# Altium PCB Key.PcbDoc
Units mil, origin at the board's own origin, x right, y up, seen from the top; angles counter-clockwise.
Board outline 2400.03 x 3815.03 mil, 2 copper layers (Top Layer, Bottom Layer); 28 components, 26 nets, 109 pads, 5 vias.
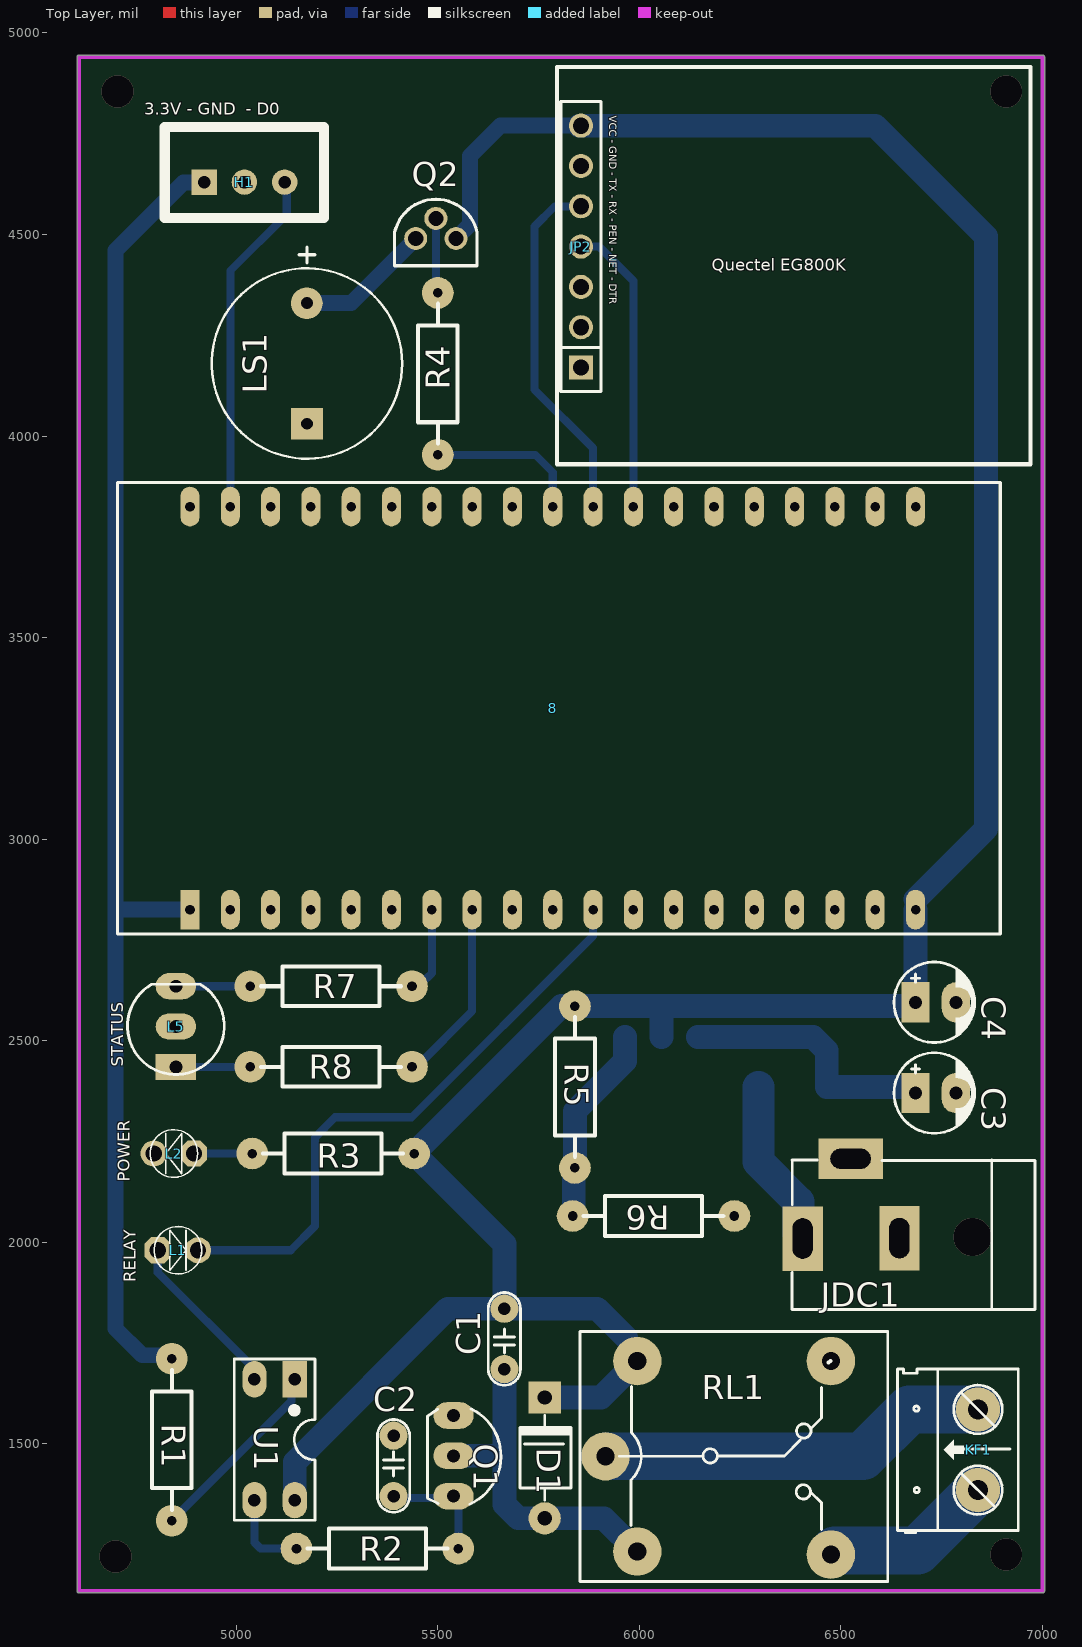
[diagram p0: Top Layer view]
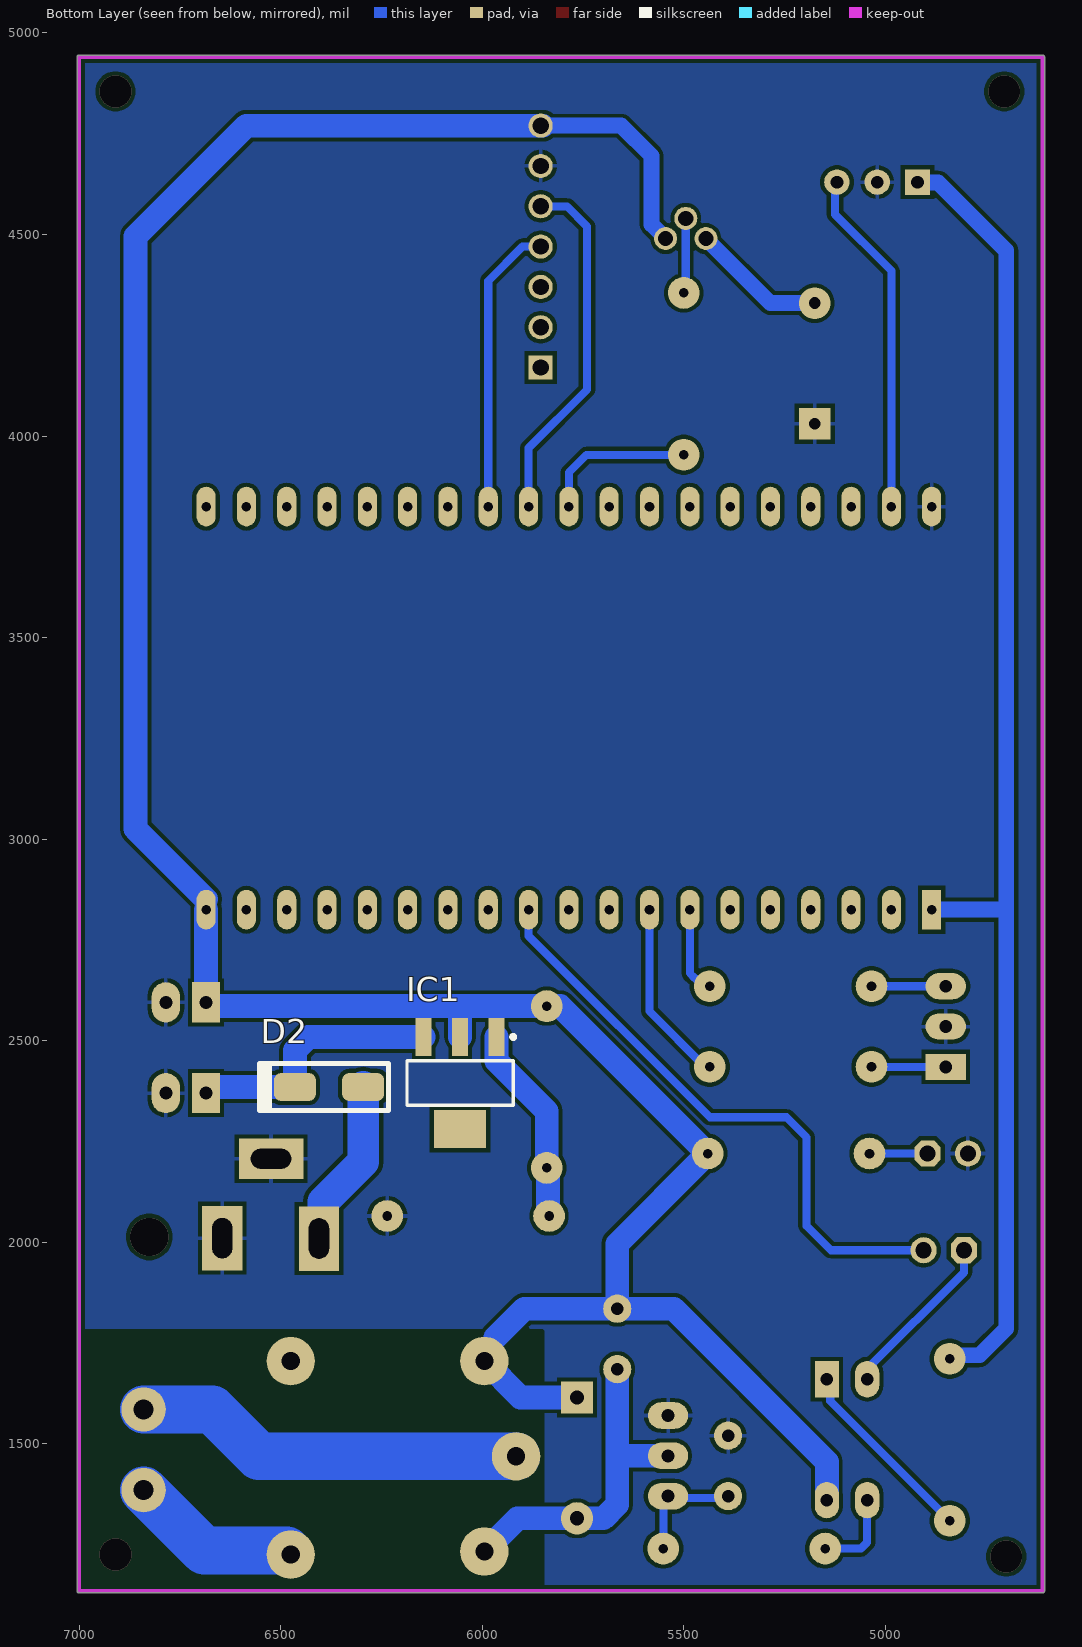
[diagram p1: Bottom Layer view, seen from below]
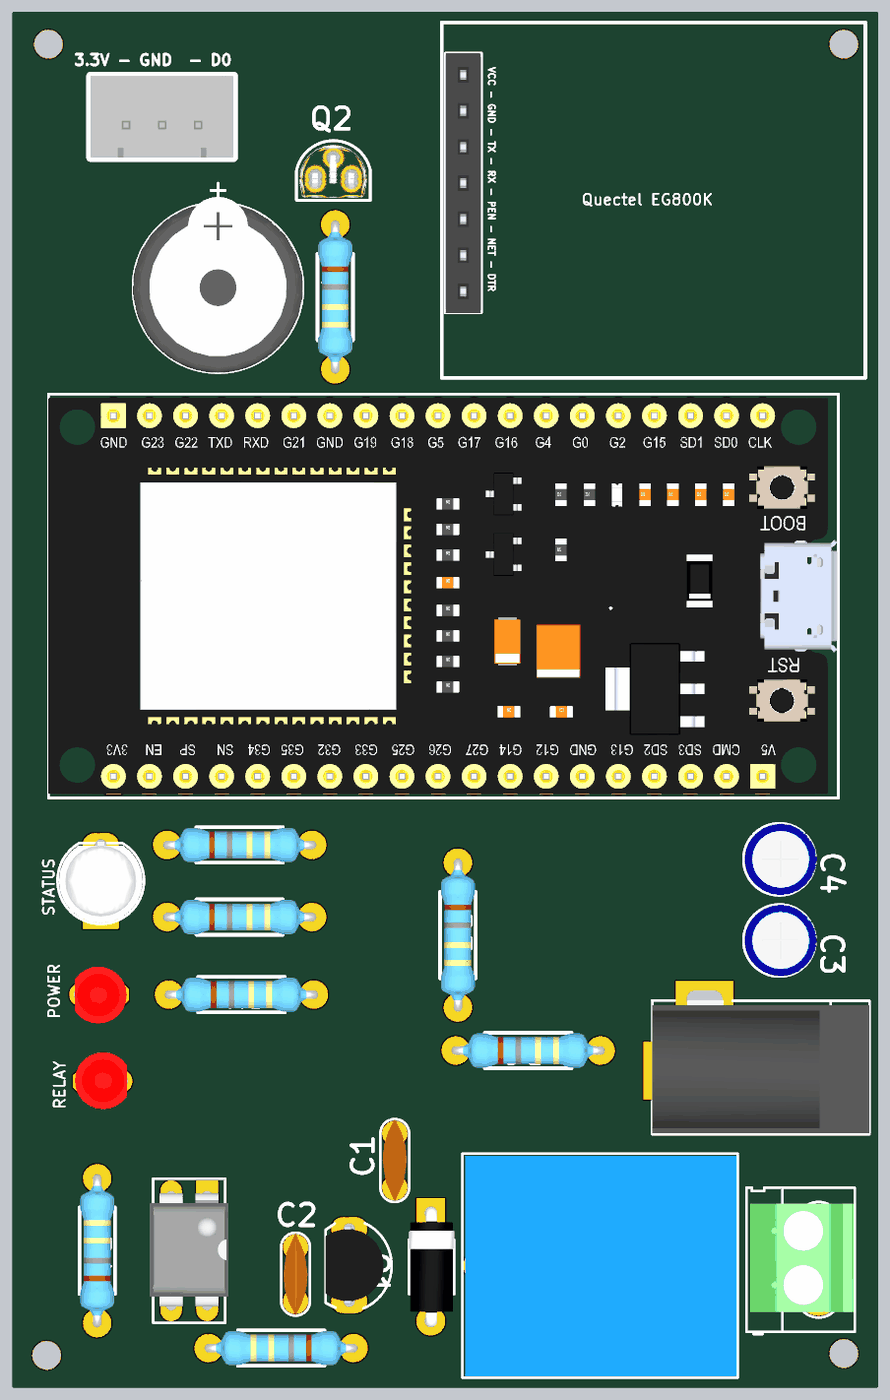
[diagram p2: 3D render of the assembled board from above, using the file's embedded part models]

## Layer stack, top to bottom
Top Solder: solder mask 0.4, Solder Resist, Dk 3.5
Top Layer: signal copper 1.4
Dielectric 1: dielectric 12.6, FR-4, Dk 4.8
Bottom Layer: signal copper 1.4
Bottom Solder: solder mask 0.4, Solder Resist, Dk 3.5

## Board outline
4604.98,1135 ccw(c4610,1135) 4610,1129.98 7000,1129.98 ccw(c7000,1135) 7005.02,1135 7005.02,4940 ccw(c7000,4940) 7000,4945.02 4610,4945.02 ccw(c4610,4940) 4604.98,4940

## Design rules (kind name [scope] priority, off if disabled: settings)
Clearance [All] p1: gap=10 ignorepadtopadclearanceinfootprint=FALSE
PolygonConnect [All] p1: connectstyle=Relief reliefconductorwidth=10 reliefentries=4 polygonreliefangle="90 Angle" airgapwidth=10
RoutingVias [All] p1: holewidth=28 width=50 viastyle="Through Hole" minholewidth=28 minwidth=50 maxholewidth=28 maxwidth=50
SolderMaskExpansion [All] p1: expansion=4 istentingtop=FALSE
SupplyNets "Schematic Supply Nets_2" [InNet('V5')] p1: voltage=0.000
SupplyNets "Schematic Supply Nets_1" [InNet('VIN')] p2: voltage=0.000
SupplyNets "Schematic Supply Nets" [InNet('GND')] p3: voltage=0.000
Width [All] p1: maxlimit=10 minlimit=10 preferedwidth=10
30 further rules are at their usual default settings.

## Components (designator, comment, footprint, x,y, rotation, side; value= is the part's Value field where it differs from the comment)
8 "ESP32 DEV KIT" "ESP32 DEVKIT" 4885,2825 r90 top
C1 "103" CN1.5 5665,1685 r90 top value=0.01uF
C2 "103" CN1.5 5390,1520 r270 top value=0.01uF
C3 "0.1uF" CP1/2 6685,2370 r0 top value=10uF/50V
C4 "1uF" CP1/2 6685,2595 r0 top value=10uF/50V
D1 "1N4007" "DIODE 1A" 5765,1265 r270 top
D2 "SS34" SS14 6380,2385 r0 bottom
H1 "Header 3P 2.54 Duc Thang" XH2.54M-3 4920,4630 r0 top
IC1 "LM317" SOT223 6055,2395 r0 bottom
JDC1 "Jac DC 12V" DC-IN 6405,2009 r180 top value="Jac DC"
JP2 "" "JP 1x7 CT" 5855,4170 r90 top
KF1 "CON 2 KF301" "Con 2 KF301 5.08" 6840,1385 r90 top
L1 "LED 3mm" LED-3MM-RED 4805,1980 r0 top
L2 "LED 3mm" LED-3MM-RED 4895,2220 r180 top
L5 "LED 5mm" "LED-5MM 2 MAU" 4850,2435 r90 top
LS1 "Buzzer 12095" FP-MCKPX-G1203A-K4056-MFG 5175,4180 r90 top
Q1 "C1815" TO92 5538.92,1470 r270 top value=C9014
Q2 "SS8050DBU" FP-135AN-MFG 5495,4504.96 r270 top
R1 "330R" "tro vach 1/4w" 4840,1510 r270 top
R2 "2.2K" "tro vach 1/4w" 5350,1240 r0 top
R3 "220R" "tro vach 1/4w" 5240,2220 r180 top
R4 "220R" "tro vach 1/4w" 5500,4154.21 r90 top
R5 "240R" "tro vach 1/4w" 5840,2385 r90 top
R6 "450R" "tro vach 1/4w" 6035,2065 r180 top
R7 "1k" "tro vach 1/4w" 5235,2635 r180 top
R8 "1k" "tro vach 1/4w" 5235,2435 r180 top
RL1 "Relay 10A/5V" "Relay 5 Chan SRD" 5915.94,1468.78 r0 top
U1 "OPTO PC817 DIP4" DIP4 5145,1662.52 r180 top value=PC817

## Footprints (in the part's own frame and the unit in brackets; to place one, negate y for a bottom-side part, rotate by r counter-clockwise, add the part's x,y. Pads: shape width x height; smd on the part's side, far side on the other; paste and mask are expansions set on the pad)
CN1.5 [mil]
  round 70 hole 31: 1(0,0) 2(150,0)
  silkscreen extent -40,-40 190,40, body extent -40,-33 190,33, height 235
"Con 2 KF301 5.08" [mil]
  round 110 hole 50: 1(0,0) 2(200,0)
  silkscreen extent -106,-100 300,200, body extent -45,-97 255,190, height 335
CP1/2 [mil] "Tu hoa < 22uF/16>50V"
  rect 70x100 hole 32: 1(0,0)
  oval 70x100 hole 32: 2(100,0)
  silkscreen extent -53,-100 147,100, body extent -49,-99 149,99, height 287
DC-IN [mil] "Jac DC input"
  rect 100x160 hole 50 slot 100 at 90 deg: 1(0,0) 2(-240,-1)
  rect 160x100 hole 50 slot 100 at 0 deg: 3(-119,-198)
  silkscreen extent -576,-195 26,176, body extent -576,-195 26,173, height 434
"DIODE 1A" [mil] "Diode 1A"
  round 80 hole 35: 1(-50,0)
  rect 80x80 hole 35: 2(-350,0)
  silkscreen extent -305,-61 -95,65, body extent -366,-61 -34,65, height 122
DIP4 [mil] "W.300/L.400"
  rect 60x90 hole 31: 1(0,2.52)
  oval 60x90 hole 31: 2(100,2.52) 3(100,302.52) 4(0,302.52)
  silkscreen extent -50,-47 150,353, body extent -59,-7 159,307, height 170
"ESP32 DEVKIT" [mm]
  rect 2.5x1.2 hole 0.6: 1(0,0)
  oval 2.5x1.2 hole 0.6: 2(0,-2.54) 3(0,-5.08) 4(0,-7.62) 5(0,-10.16) 6(0,-12.7) 7(0,-15.24) 8(0,-17.78) 9(0,-20.32) 10(0,-22.86) 11(0,-25.4) 12(0,-27.94) 13(0,-30.48) 14(0,-33.02) 15(0,-35.56) 16(0,-38.1) 17(0,-40.64) 18(0,-43.18) 19(0,-45.72) 20(25.4,-45.72) 21(25.4,-43.18) 22(25.4,-40.64) 23(25.4,-38.1) 24(25.4,-35.56) 25(25.4,-33.02) 26(25.4,-30.48) 27(25.4,-27.94) 28(25.4,-25.4) 29(25.4,-22.86) 30(25.4,-20.32) 31(25.4,-17.78) 32(25.4,-15.24) 33(25.4,-12.7) 34(25.4,-10.16) 35(25.4,-7.62) 36(25.4,-5.08) 37(25.4,-2.54) 38(25.4,0)
  silkscreen extent -1.52,-51.05 26.92,4.57, body extent -1.27,-50.99 26.67,4.59, height 9.68
FP-135AN-MFG [mm]
  round 1.45 hole 0.95 paste-2539.97 mask+0: 1(0.38,-1.27) 2(-0.89,0) 3(0.38,1.27)
  silkscreen extent -2.1,-2.6 2.09,2.6, body extent -2.19,-2.7 2.19,2.7, height 0.25
FP-MCKPX-G1203A-K4056-MFG [mm]
  rect 2x2 hole 0.75 paste-2539.97 mask+0: 1(-3.8,0)
  round 2 hole 0.75 paste-2539.97 mask+0: 2mm(3.8,0)
  silkscreen extent -6,-6 7.35,6, body extent -6.1,-6.1 6.1,6.1, height 0.25
"JP 1x7 CT" [mm] "7 row, straight, gold plating"
  rect 1.52x1.52 hole 1.02: 1(0,0)
  round 1.52 hole 1.02: 2(2.54,0) 3(5.08,0) 4(7.62,0) 5(10.16,0) 6(12.7,0) 7(15.24,0)
  silkscreen extent -1.52,-1.27 16.76,1.27, body extent -1.52,-1.25 16.76,1.25, height 8.51
LED-3MM-RED [mil]
  oct 65x65 hole 40: 1(0,0)
  round 65 hole 40: 2(100,0)
  silkscreen extent -9,-59 109,59, body extent -27,-77 117,80, height 181
"LED-5MM 2 MAU" [mil] "LED 3 PIN, 5 ly , Two colour"
  rect 65x100 hole 32: 1(0,0)
  oval 65x100 hole 32: 2(100,0) 3(200,0)
  silkscreen extent -19,-120 205,120, body extent -16,-116 210,116, height 427
"Relay 5 Chan SRD" [mil] "Relay SPDT, 5 pin, 10A,W 650mil, L 800mil, H 800mil"
  round 120 hole 45: 1(0,0) 2(559.06,236.22) 3(559.06,-243.78) 4(78.74,-236.22) 5(78.74,236.22)
  silkscreen extent -63,-311 700,310, body extent -55,-306 697,304, height 602
SOT223 [mm]
  rect 1x2.4 smd: 1(-2.3,-2.9) 2(0,-2.9) 3(2.3,-2.9)
  rect 3.3x2.4 smd: 4(0,2.9)
  silkscreen extent -3.47,-3.02 3.35,1.4, body extent -3.25,-3.56 3.25,3.4, height 1.68
SS14 [mm] "Diode SMD"
  rrect50% 2.65x1.75 smd: 1(-2.15,0) 2(2.15,0)
  silkscreen extent -3.75,-1.48 4.4,1.48, body extent -2.79,-1.97 2.79,1.97, height 2.6
TO92 [mil] "TO-92"
  oval 66x100 hole 32: 1(-100,0) 2(0,0) 3(100,0)
  silkscreen extent -117,-65 120,118, body extent -109,-66 109,95, height 245
"tro vach 1/4w" [mm]
  round 2 hole 0.6: 2mm(-5.1,0) 2mm(5.1,0)
  silkscreen extent -4.39,-1.25 4.42,1.25, body extent -5.38,-1.2 5.38,1.2, height 2.41
XH2.54M-3 [mm]
  rect 1.6x1.6 hole 0.8: 1(0,0)
  round 1.6 hole 0.8: 2(2.54,0) 3(5.08,0)
  silkscreen extent -2.48,-2.26 7.56,3.46, body extent -2.48,-2.26 7.56,3.48, height 6.91

## Part data
C1 C2: library part CN1.5, "Cap np 682pF => 104pF"
C3 C4: library part CP1, "Cap P  0,1uF < 22uF , 16 - 50V", Description 1="10 => 220uF/6,3V/10V - 10uF => 100uF/16V", Description 2="0,1uF => 33uF/50V - 10uF => 22uF/63V", Description 3="0,47uF => 10uF/100V"
D1: library part "Diode 1N4007", "Cắm", Chung_Loai=Cắm, Don_Vi=Con, Ma_Hang=MH001063, Ten_Linh_Kien="Diode 1N4007 1A (DIP)"
D2: library part "D Schottky", "Schottky Diode", Code_JEDEC=DO-214-AA, LatestRevisionDate=17-Jul-2002, LatestRevisionNote="Re-released for DXP Platform.", PackageDescription="DO-214-AA/SMB; 2 C-Bend Leads; Body 5.3 x 3.6 mm, inc. leads (LxW)", PackageReference=SMB, Published=8-Jun-2000, Publisher="Altium Limited"
H1 KF1: "Cắm", Chung_Loai=Cắm, Don_Vi=Con
  H1: Ma_Hang=MH001292, Ten_Linh_Kien="Header 3P XH2.54-3P Đực Thẳng"
  KF1: Ma_Hang=MH000987, Ten_Linh_Kien="CON 2 KF301-2P 5.08MM Xanh Dương"
IC1: library part "LM317 TO223 SMD", "Dán", Chung_Loai=Dán, Don_Vi=Con, Ma_Hang=MH003617, Ten_Linh_Kien="LM317 TO223 ADJ 0.5A (N07A,N01A)"
JDC1: library part DCIN, "Jac DC input"
JP2: library part "JP 1x7 2.54 Cai Thang", "Cắm", Chung_Loai=Cắm, Don_Vi=Con, Ma_Hang=MH004006, Ten_Linh_Kien="Jump Đơn Cái 2.54MM 1x20P Thẳng"
L1 L2: library part "LED 3mm Do", "Cắm", Chung_Loai=Cắm, Don_Vi=Con, Ma_Hang=MH003892, Ten_Linh_Kien="Led 3MM Phủ Đỏ (10c)"
L5: library part "LED 5mm 2 mau Katot chung", "Cắm", Chung_Loai=Cắm, Don_Vi=Con, Ma_Hang=MH001547, Ten_Linh_Kien="Led 5MM 2 Mầu Katot Xanh Đỏ (10c)"
LS1: library part CMP-12433-000001-1, "MAGNETIC BUZZER AND TRANSDUCER - More Details", Current=30mA, Frequency=2300Hz, Manufacturer="Multicomp Pro", Manufacturer Part Number=MCKPX-G1203A-K4056, Max Supply Voltage=5V, Min Supply Voltage=2V, Operating Supply Voltage=3V, PACKAGE=0, Temperature="-20°C to +70°C", Temperature Range High=+70°C, Temperature Range Low=-20°C, Automotive=No, Category=Speak, ComponentLink2Description=Datasheet, ComponentLink2URL=http://www.farnell.com/datasheets/1498149.pdf?_ga=2.17855225.1157923166.1572356775-536200964.1569240579, Device Class L1=Electromechanical, Device Class L2="Audio Products", Device Class L3=Buzzers, Height=9.5mm, Lead Free=Yes, Octopart=https://octopart.com/mckpx-g1203a-k4056-multicomp-12157154, RoHS=TRUE, Standoff Height=0.5mm
Q1: library part "Trans C1815 DIP", "NPN transistor"
Q2: library part CMP-00278-84331634-1, "SS8050DBU Bipolar (BJT) Single Transistor, NPN, 25 V, 100 MHz, 1 W, 1.5 A, 160", Case/Package=TO-92, Collector Base Voltage (VCBO)=40V, Collector Emitter Breakdown Voltage=25V, Collector Emitter Saturation Voltage=500mV, Current Rating=1.5A, Emitter Base Voltage (VEBO)=6V, Frequency=100MHz, Manufacturer Lifecycle Status=ACTIVE, Max Junction Temperature (Tj)=150°C, Max Power Dissipation=1W, Min Operating Temperature=-65°C, Output Power=2W, Collector Emitter Voltage (VCEO)=25V, Element Configuration=Single, Gain Bandwidth Product=100MHz, Height=4.58mm, hFE Min=85, Lead Free="Lead Free", Length=4.58mm, Lifecycle Status=Production, Max Collector Current=1.5A, Max Frequency=100MHz, Max Operating Temperature=150°C, Mount="Through Hole", NexarPartId=84331634, Number of Elements=1, Number of Pins=3, Packaging=Bulk, Polarity=NPN, Power Dissipation=1W, Radiation Hardening=No, REACH SVHC="No SVHC", RoHS=Compliant, Schedule B="8541290080, 8541290080|8541290080|8541290080|8541290080|8541290080", Transition Frequency=100MHz, Voltage Rating (DC)=25V, Weight=179mg, Width=3.86mm
R1: library part "Tro Vach 1/4W 1% 330R", "Cắm", Chung_Loai=Cắm, Don_Vi=Con, Ma_Hang=MH006348, So_Chan=2, Ten_Linh_Kien="Trở Vạch 1/4w 1% 330R"
R2: library part "Tro Vach 1/4W 5% 1k", "Cắm", Chung_Loai=Cắm, Don_Vi=Con, Ma_Hang=MH007390, So_Chan=2, Ten_Linh_Kien="Trở Vạch 1/4w 5% 1k"
R3 R4 R5 R6 R7 R8: library part "Tro Vach 1/4W 5% 220R", "Cắm", Chung_Loai=Cắm, Don_Vi=Con, Ma_Hang=MH007300, So_Chan=2, Ten_Linh_Kien="Trở Vạch 1/4w 5% 220R"
RL1: library part "Relay 5 Chan SRD", "Relay 5 Chan", Ma_Hang=MH009374, Ten="Relay 5V10A SRD-05VDC-SL-C Chính Hãng"
U1: "Single Opto"

## Via types
v1: diameter 78.74, hole 78.74, Top Layer to Bottom Layer, 4 vias
v2: diameter 94.49, hole 94.49, Top Layer to Bottom Layer, 1 vias

## Nets (pads, with @x,y where several pads share a name; then routed paths per layer and width w, separated by ;. In a path a pad name is that pad's centre, name@x,y a point inside that pad or via, vN(x,y) a via of type N, cw(c..) or ccw(c..) an arc to the next point about the centre after c; other vN are vias at no path point)
3.3V: 8.1 H1.1 R1.2mm@4840,1710.79 | length 3329.8
  Bottom Layer w10: R1.2mm@4831.37,1719.42 R1.2mm@4840,1710.79
  Bottom Layer w39.37: R1.2mm@4831.37,1719.42 4766.44,1719.42 4700,1785.86 4700,2825 ; 8.1 4700,2825 ; H1.1@4925,4640 4913.62,4628.62 4868.62,4628.62 4700,4460 4700,2825
BUZZER: 8.29 R4.2mm@5500,3953.43 | length 388
  Bottom Layer w20: R4.2mm@5500,3953.43 5741.57,3953.43 5785,3910 8.29
D0: 8.37 H1.3 | length 873
  Bottom Layer w20: 8.37 4985,4410 5125,4550 H1.3@5125,4640
G32: 8.7 R7.2mm@5435.79,2635 | length 220.3
  Bottom Layer w20: R7.2mm@5435.79,2635 5451.68,2635 5472.29,2655.61 5473.28,2655.61 5485,2667.32 8.7
G33: 8.8 R8.2mm@5435.79,2435 | length 458.3
  Bottom Layer w20: R8.2mm@5435.79,2435 5446.95,2435 5585,2573.05 8.8
GND: 8.38 C2.1 C3.2 C4.2 H1.2 JDC1.2 JDC1.3 JP2.6 L2.2 L5.2 LS1.1 Q1.1 R6.2mm@6235.79,2065 | length 32.2
  Bottom Layer w10: Q1.1@5522.85,1570 Q1.1@5555,1570
NetC1_1: C1.1 D1.1 Q1.2 RL1.4 | length 839.6
  Bottom Layer w59.06: Q1.2 5665,1470 ; C1.1 5665,1470 ; RL1.4 5912.24,1315 5699.59,1315 5665,1349.59 5665,1470
NetC2_2: C2.2 Q1.3 R2.2mm@5550.79,1240 | length 304.6
  Bottom Layer w10: C2.2@5390,1395 5394,1395 C2.2@5423.21,1365.79 ; Q1.3@5550.79,1365.79 Q1.3@5555,1370
  Bottom Layer w20: C2.2@5423.21,1365.79 5550.79,1365.79 R2.2mm@5550.79,1240
NetD2_1: D2.1 JDC1.1 | length 459.4
  Bottom Layer w10: JDC1.1@6373.14,2060 6390,2043.14 JDC1.1@6390,2029
  Bottom Layer w78.74: D2.1 6295.35,2199.65 6394.37,2100.63 6394.37,2019.63 JDC1.1
NetIC1_1: IC1.1 R5.2mm@5840,2184.21 R6.2mm@5834.21,2065 | length 498.1
  Bottom Layer w10: R6.2mm@5834.21,2065 R6.2mm@5837.11,2067.89 ; R5.2mm@5837.11,2181.32 R5.2mm@5840,2184.21
  Bottom Layer w59.06: R6.2mm@5837.11,2067.89 R5.2mm@5837.11,2181.32 ; R5.2mm@5840,2184.21 5840,2325 5964.45,2449.45 IC1.1
NetKF1_1: KF1.1 RL1.3 | length 431.3
  Bottom Layer w10: RL1.3 RL1.3@6485,1235
  Bottom Layer w118.11: RL1.3@6485,1235 6690,1235 KF1.1
NetKF1_2: KF1.2 RL1.1 | length 972.2
  Bottom Layer w118.11: RL1.1 6553.78,1468.78 6670,1585 KF1.2
NetL1_1: L1.1 U1.2 | length 419.4
  Bottom Layer w10: U1.2 U1.2@5045,1685
  Bottom Layer w20: L1.1 4805,1925 U1.2@5045,1685
NetL2_1: L2.1 R3.2mm@5039.21,2220 | length 134.2
  Bottom Layer w10: R3.2mm@5032,2205 R3.2mm@5044.21,2205
  Bottom Layer w20: L2.1 R3.2mm@5017,2220
NetL5_1: L5.1 R8.2mm@5034.21,2435 | length 184.2
  Bottom Layer w20: L5.1 R8.2mm@5034.21,2435
NetL5_3: L5.3 R7.2mm@5034.21,2635 | length 184.2
  Bottom Layer w20: L5.3 R7.2mm@5034.21,2635
NetLS1_2: LS1.2mm Q2.1 | length 340.3
  Bottom Layer w39.37: LS1.2mm@5170.97,4330 5285,4330 Q2.1
NetQ2_2: Q2.2 R4.2mm@5500,4355 | length 163.7
  Bottom Layer w20: R4.2mm@5495,4376.25 Q2.2
NetR1_2: R1.2mm@4840,1309.21 U1.1 | length 504.6
  Bottom Layer w10: R1.2mm@4840,1294.21 4852.21,1294.21 R1.2mm@4863,1305 ; U1.1@5136.65,1651.65 U1.1
  Bottom Layer w20: R1.2mm@4840,1309.21 5136.65,1605.86 U1.1@5136.65,1651.65
NetR2_1: R2.2mm@5149.21,1240 U1.3 | length 215.4
  Bottom Layer w20: U1.3 5045,1255 5060,1240 R2.2mm@5149.21,1240
PEN: 8.33
RELAY: 8.11 L1.2 | length 1497
  Bottom Layer w20: L1.2 5135,1980 5195,2040 5195,2260 5245,2310 5435,2310 5885,2760 8.11
RX: 8.27 JP2.4 | length 725.2
  Bottom Layer w20: JP2.4 5900,4470 5985,4385 8.27
TX: 8.28 JP2.5 | length 890.8
  Bottom Layer w20: JP2.5 5790,4570 5740,4520 5740,4115 5885,3970 8.28
V5: 8.19 C1.2 C4.1 D1.2 IC1.2 JP2.7 Q2.3 R3.2mm@5440.79,2220 R5.2mm@5840,2585.79 RL1.5 U1.4 | length 6960.1
  Bottom Layer w10: 5966.81,1763.19 5966.81,1762.64 5994.69,1734.77 RL1.5 ; 6049.14,2585.79 6055,2579.93 ; C4.1@6675.23,2620.23 C4.1@6685,2630 ; 8.19 8.19@6685,2850.59
  Bottom Layer w39.37: Q2.3 5580,4525 5580,4695 5655,4770 JP2.7@5850,4770
  Bottom Layer w59.06: U1.4 5145,1455 5525,1835 C1.2 ; D1.2 5904.69,1615 RL1.5 ; JP2.7@5850,4770 6585,4770 6860,4495 6860,3025.59 8.19@6685,2850.59 ; 5966.81,1763.19 5895,1835 C1.2 ; IC1.2 6055,2579.93 ; C4.1@6655.98,2585.79 6049.14,2585.79 5806.57,2585.79 5440.79,2220 5665,1995.79 C1.2 ; C4.1@6685,2630 8.19
VIN: C3.1 D2.2 IC1.3 | length 646.1
  Bottom Layer w10: C3.1@6680.2,2385 C3.1@6685.2,2390
  Bottom Layer w59.06: IC1.3 6430.83,2509.17 6464.65,2475.35 D2.2 C3.1@6680.2,2385
pads on no net: 8.2 8.3 8.4 8.5 8.6 8.9 8.10 8.12 8.13 8.14 8.15 8.16 8.17 8.18 8.20 8.21 8.22 8.23 8.24 8.25 8.26 8.30 8.31 8.32 8.34 8.35 8.36 IC1.4 JP2.1 JP2.2 JP2.3 RL1.2
copper on no net:
  other v1: 4700,1220 6910,1225 4705,4855 6910,4855
  other v2: 6826,2013

## Polygon pours and split planes (outlines as drawn)
GND on Bottom Layer "GND_L02_P000" (solid, remove dead copper, pour order 0): 4610,4940 7000,4940 7000,1785 5850,1785 5845,1780 5845,1135 4610,1135

## Keep-outs
Keep-Out Layer:
  lines w10: 4610,1135 7000,1135 7000,4940 4610,4940 4610,1135

## Silkscreen, mask and mechanical layers (free items; w line width, h text height)
Top Overlay:
  lines w10: 5795,3930 6970,3930 6970,4915 5795,4915 5795,3930
  text "3.3V - GND  - D0" at 4772,4797 h30
  text "VCC - GND - TX - RX - PEN - NET - DTR" at 5925,4795 h18 r270
  text "Quectel EG800K" at 6180,4410 h30
  text "STATUS" at 4720,2435 h30 r90
  text "POWER" at 4735,2150 h30 r90
  text "RELAY" at 4750,1900 h30 r90